# Allegro board BeagleBoard-xM.brd (continued)
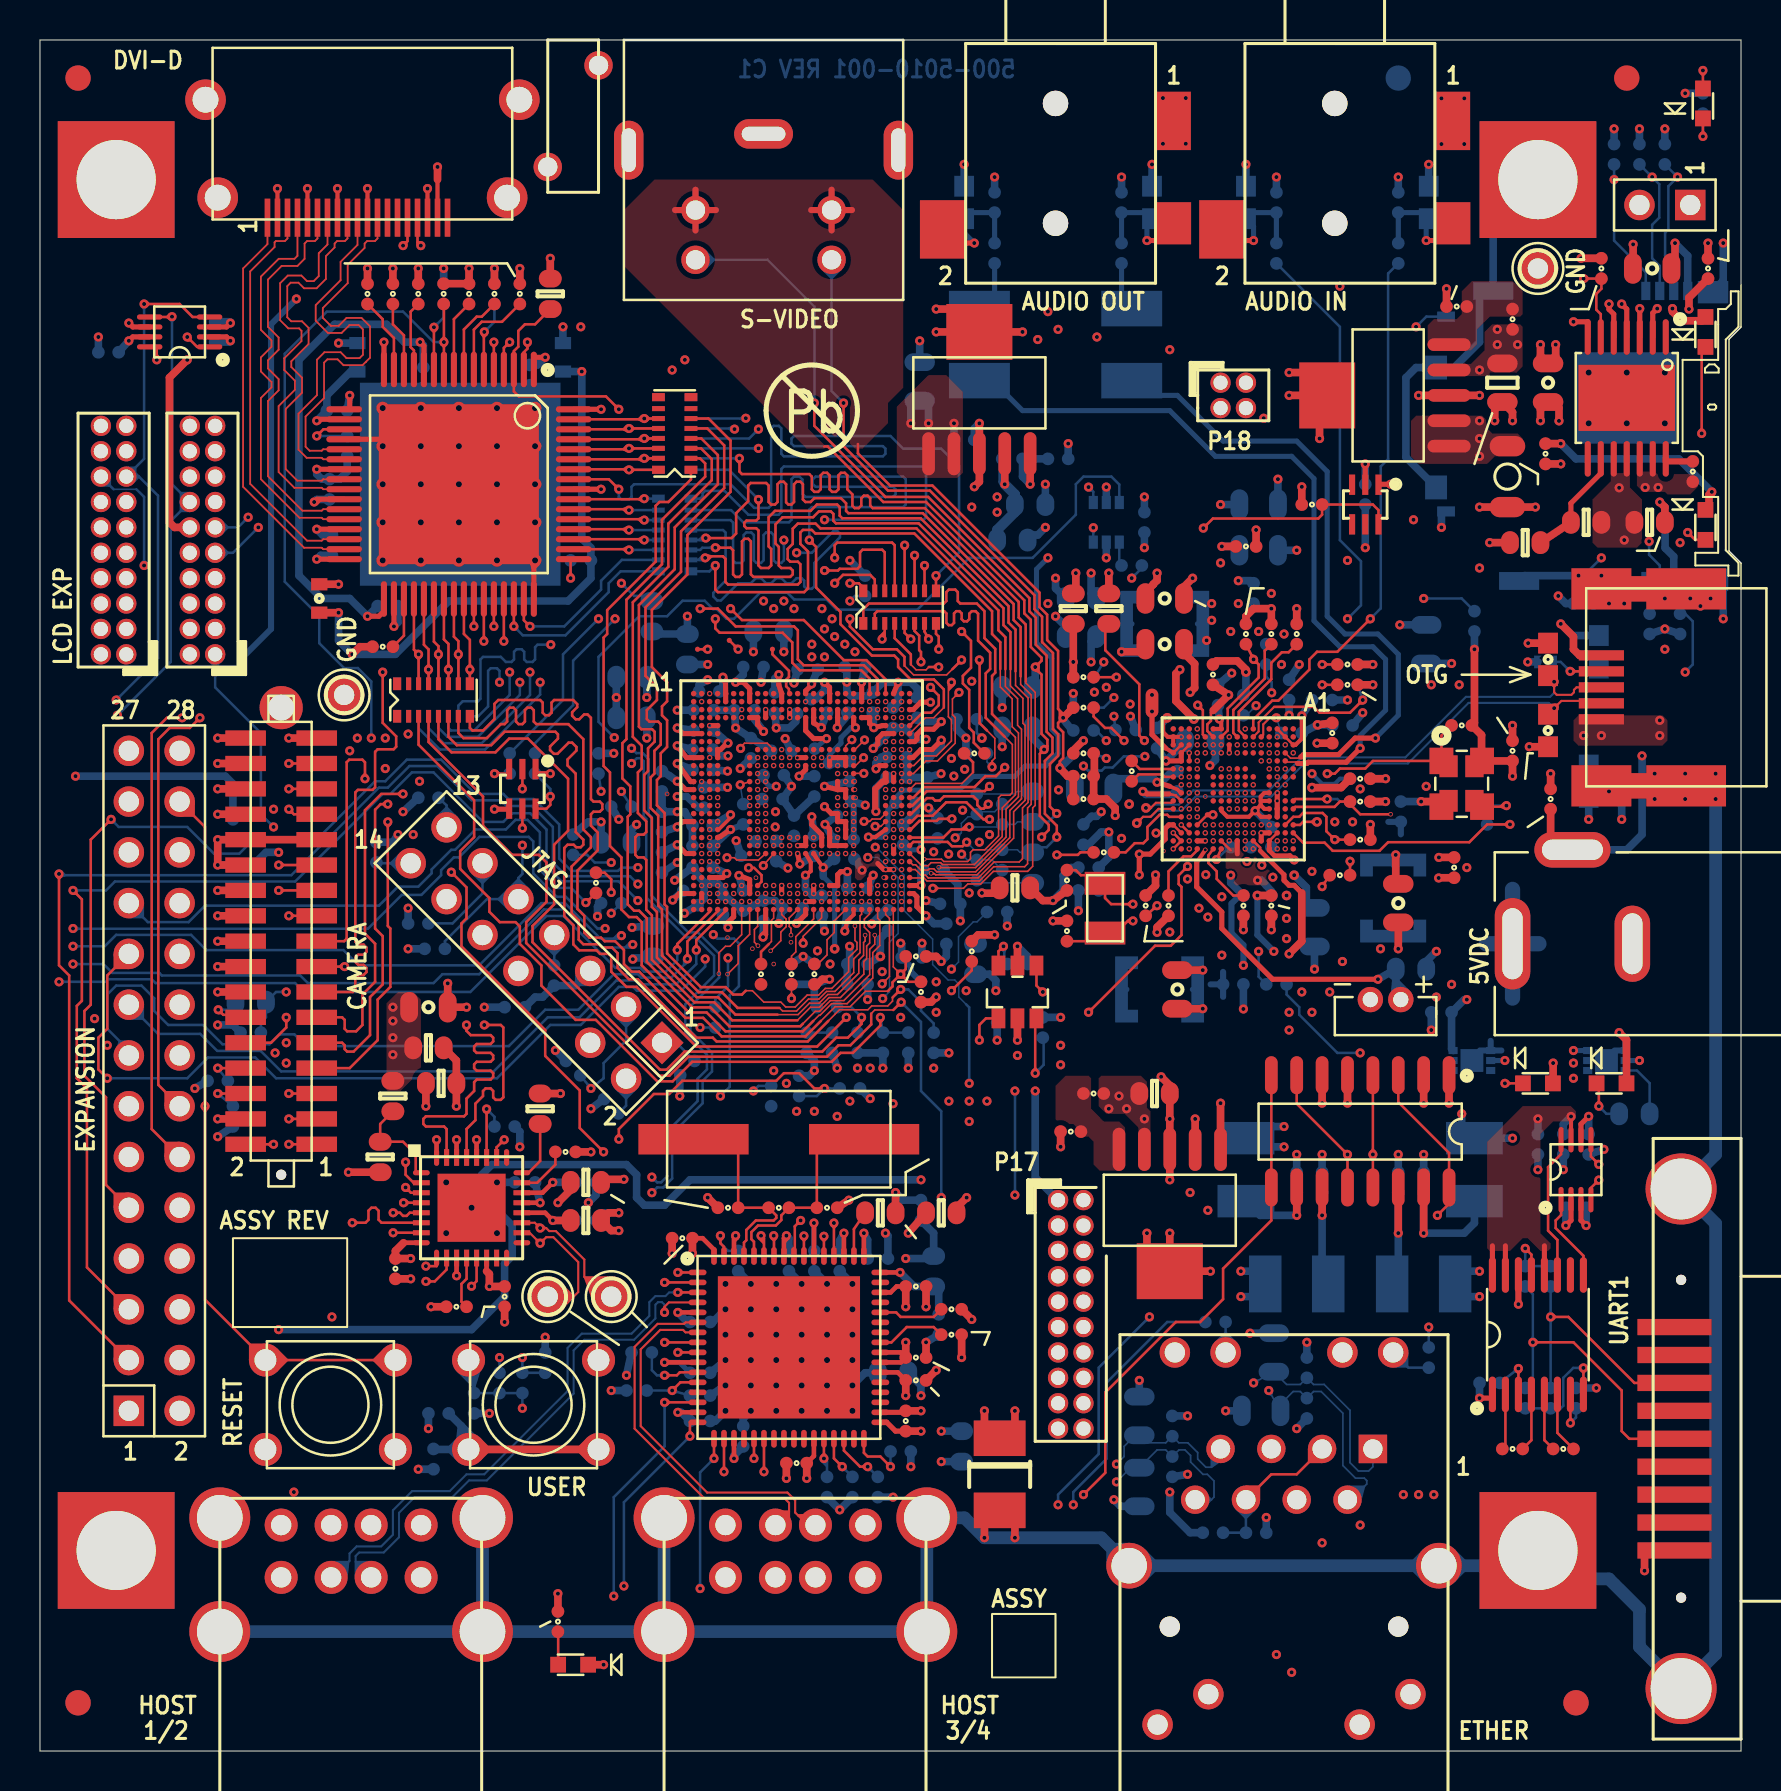
[diagram p0: board, top side]
## Routing (per net, layer and track width the routed paths; a pad name or vN(x,y) marks a point on that pad's centre or on a via; arc(x,y) is an arc through that point) (continued)
DSS_D11: length 45.8
  TOP w0.076: v3(44.58,43.91) 44.59,43.89 44.74,43.89 44.8,43.83 46.87,43.83 48.7,45.67 48.7,46.99 49.28,47.56 49.28,51.31 49.17,51.42 49.17,52.66 48.55,53.28 48.55,54.13
  TOP w0.127: v1(33.78,60.2) 34.54,60.2 34.67,60.07 34.67,58.86 34.8,58.74 34.99,58.74 35.12,58.86 35.12,60.52 35.24,60.64 35.43,60.64 35.56,60.52 35.56,58.86 35.69,58.74 37.53,58.74 37.66,58.86 37.66,59.05 37.53,59.18 37.08,59.18 36.96,59.31 36.96,60.24 36.79,60.41 36.79,61.37 37.15,61.72 38.67,61.72 38.96,62.01 39.56,62.01 39.69,61.89 39.69,61.54 39.81,61.42 43.95,61.42 48.2,57.17 48.2,56.32 48.55,55.98 48.55,54.13
  LYR2-GND w0.076: v3(43.1,43.7) 43.45,44.04 44.44,44.04 v3(44.58,43.91)
  BOTTOM w0.127: RP3.6 33.02,60.09 33.13,60.2 v1(33.78,60.2)
DSS_D12: length 40.4
  TOP w0.076: 48.29,54.13 48.29,53.26 48.9,52.65 48.9,51.31 49.1,51.12 49.1,47.64 48.51,47.05 48.51,45.69 46.8,43.98 44.86,43.98 44.71,44.14 44.48,44.14 44.41,44.07 44.07,44.07 43.8,44.34 43.66,44.34 U4.AB28
  TOP w0.127: 48.29,54.13 48.29,55.72 47.94,56.07 47.94,57.06 43.84,61.16 39.04,61.16 38.8,61.4 37.91,61.4 37.66,61.15 37.66,60.39 37.4,60.13 37.4,59.63 37.53,59.5 37.91,59.5 38.04,59.37 38.04,58.48 37.91,58.36 34.42,58.36 34.29,58.48 34.29,59.64 34.16,59.77 33.35,59.77 v1(33.27,59.69)
  BOTTOM w0.127: v1(33.27,59.69) 33.17,59.59 RP3.7
DSS_D13: length 39.7
  TOP w0.076: v3(44.96,44.21) 44.98,44.2 46.8,44.2 48.32,45.72 48.32,47.12 48.95,47.74 48.95,50.93 48.63,51.24 48.63,52.64 48.04,53.23 48.04,54.13
  TOP w0.127: 48.04,54.13 48.04,55.47 47.62,55.88 47.62,57.02 43.74,60.91 38.79,60.91 38.61,61.09 38.16,61.09 38.04,60.96 38.04,60.39 38.42,60.01 38.42,58.17 38.23,57.98 33.91,57.98 33.78,58.1 v1(33.78,59.31)
  LYR2-GND w0.076: v3(44.96,44.21) 43.39,44.21 v3(43.1,44.5)
  BOTTOM w0.127: RP3.8 33.49,59.01 v1(33.78,59.31)
DSS_D14: length 26
  TOP w0.076: U4.AA28 44.11,44.29 44.42,44.29 44.58,44.44 45.05,44.44 45.15,44.35 46.74,44.35 48.13,45.74 48.13,47.18 48.79,47.84 48.79,50.71 48.51,50.99
  TOP w0.127: 48.51,50.99 47.62,51.88 47.62,53.78 47.78,53.94 47.78,55.14 47.24,55.68 47.24,57.02 46.86,57.4 46.04,57.4 45.91,57.53 45.91,57.98 45.78,58.1 45.47,58.1 45.34,57.98 45.34,57.53 45.21,57.4 41.47,57.4 41.18,57.12 RP4.1
DSS_D15: length 25.9
  TOP w0.076: 48.26,50.74 48.64,50.36 48.64,47.94 48.51,47.82 48.08,47.82 47.95,47.69 47.95,45.78 47.26,45.09 46.67,45.09 46.55,44.96 46.55,44.64 46.41,44.5 45.21,44.5 45.09,44.62 v3(44.23,44.62)
  TOP w0.127: 48.26,50.74 47.31,51.69 47.31,53.91 47.53,54.13 47.53,54.95 46.93,55.55 46.93,56.9 46.8,57.02 46.61,57.02 46.48,56.9 46.48,56.63 46.37,56.52 46.22,56.52 46.1,56.63 46.1,56.91 45.99,57.02 45.83,57.02 45.72,56.91 45.72,56.44 45.61,56.32 45.45,56.32 45.34,56.44 45.34,56.91 45.23,57.02 41.88,57.02 41.76,56.9 RP4.2
  LYR2-GND w0.076: v3(44.23,44.62) 43.95,44.62 43.67,44.9 v3(43.1,44.9)
DSS_D16: length 6.2
  TOP w0.127: v1(42.13,55.63) 42.26,55.76 RP4.3
  LYR3-SIG w0.076: v2(42.3,50.5) 42.09,50.71 42.09,51.33 41.88,51.54 41.88,53.94
  LYR3-SIG w0.127: 41.88,53.94 41.88,54.08 41.99,54.18 41.99,55.49 v1(42.13,55.63)
DSS_D17: length 8.9
  TOP w0.076: 43.56,54.36 43.83,54.09 44.32,54.09 44.46,54.23
  TOP w0.127: RP4.4 42.75,55.67 43.56,54.86 43.56,54.36 ; v1(44.96,54.23) 44.46,54.23
  LYR3-SIG w0.076: 44.88,54.13 44.09,53.34 44.09,51.36 43.59,50.85 43.59,50.58 v2(43.1,50.1)
  LYR3-SIG w0.127: 44.88,54.13 44.96,54.2 v1(44.96,54.23)
DSS_D18: length 47.9
  TOP w0.076: 42.41,38.01 41.3,38.01 40.53,37.24 39.78,37.24 39.07,36.53 ; U4.AH26 42.68,42.08 42.68,39.23 v1(43.05,38.86)
  TOP w0.127: R36.1 43.43,38.48 v1(43.05,38.86) ; v1(43.05,38.86) 42.65,38.46 42.65,38.25 42.41,38.01 ; v1(43.05,38.86) 43.31,39.12 R123.1 ; 39.07,36.53 38.29,35.75 34.1,35.75 33.17,36.68 32.28,36.68 29.97,38.99 29.59,38.99 29.21,39.37 29.21,40.07 28.77,40.51 28.24,40.51 28.07,40.69 27.48,40.69 27.23,40.94 27.23,41.78 26.89,42.13 26.89,44.04 27.9,45.06 27.9,45.95 27.56,46.29 27.56,46.86 27.69,46.99 28,46.99 28.13,47.12 28.13,47.37 28,47.5 27.69,47.5 27.56,47.62 27.56,51.69 27.39,51.85 27.22,51.85 26.98,51.61 26.8,51.61 26.62,51.79 26.62,51.97 26.87,52.22 26.87,52.37 26.67,52.58 25.72,52.58 25.59,52.45 25.59,51.94 25.46,51.82 25.27,51.82 25.15,51.94 25.15,52.45 25.02,52.58 22.92,52.58 22.73,52.39 22.73,51.63 22.16,51.05 21.63,51.05 21.5,51.18 RP7.8
DSS_D19: length 48.8
  TOP w0.076: 39.43,36.53 39.76,36.86 39.99,37.08 41.41,37.08 41.61,37.27 42.41,37.27 42.65,37.51 42.65,37.69
  TOP w0.127: RP7.7 20.93,50.93 21.18,50.67 22.35,50.67 23.05,51.37 23.24,51.37 23.37,51.5 23.37,52.07 23.49,52.2 23.69,52.2 23.81,52.07 23.81,51.5 23.94,51.37 24.13,51.37 24.26,51.5 24.26,52.07 24.38,52.2 24.57,52.2 24.7,52.07 24.7,51.5 24.83,51.37 26.43,51.37 27.18,50.62 27.18,46.1 27.56,45.72 27.56,45.21 26.59,44.25 26.59,41.91 26.95,41.55 26.95,40.59 27.18,40.36 27.95,40.36 28.12,40.2 28.61,40.2 28.89,39.92 28.89,39.18 29.46,38.61 29.91,38.61 32.83,35.69 33.66,35.69 33.85,35.5 38.4,35.5 39.43,36.53 ; 42.65,37.69 v1(43.05,38.1)
  LYR2-GND w0.076: v1(43.05,38.1) 42.62,38.53 42.62,39.09 42.72,39.19 42.72,40.11 42.67,40.16 42.67,42.47 v3(42.7,42.5)
  BOTTOM w0.127: v1(43.05,38.1) 43.43,38.1 R125.1 44.07,37.03 44.7,36.4 R139.1
DSS_D20: length 47.7
  TOP w0.076: v1(40.34,36.7) 40.16,36.53
  TOP w0.127: 40.16,36.53 38.87,35.24 32.83,35.24 29.84,38.23 29.34,38.23 28.57,38.99 28.57,39.75 28.45,39.88 28.02,39.88 27.84,40.06 26.97,40.06 26.68,40.35 26.68,41.32 26.23,41.77 26.23,45.17 26.39,45.34 26.7,45.34 26.82,45.21 27.05,45.21 27.18,45.34 27.18,45.59 26.8,45.97 26.8,48.9 26.39,49.3 26.39,49.61 26.83,50.05 26.83,50.23 26.62,50.44 26.44,50.44 25.88,49.89 25.7,49.89 25.52,50.08 25.52,50.25 25.91,50.65 25.91,50.86 25.78,50.99 23.24,50.99 22.57,50.32 20.85,50.32 20.43,50.74 RP7.6
  LYR3-SIG w0.076: v2(39.5,42.9) 39.75,42.65 39.75,42.28 40.81,41.22 40.81,40.95 41.28,40.49 41.28,38.37 40.34,37.43 v1(40.34,36.7)
  BOTTOM w0.127: R141.1 R127.1 v1(40.34,36.7)
DSS_D21: length 47.6
  TOP w0.127: v1(41.1,36.7) 41.1,36.37 40.41,35.69 39.83,35.69 39.13,34.99 32.25,34.99 31.34,34.09 31.01,34.09 24.64,40.46 24.64,41.27 25.72,42.35 25.72,45.34 26.42,46.04 26.42,48.64 24.41,50.65 23.47,50.65 22.78,49.96 20.59,49.96 19.93,50.61 RP7.5
  LYR3-SIG w0.076: v1(41.1,36.7) 41.02,36.78 41.02,37.81 41.48,38.27 41.48,40.77 40.06,42.19 40.06,42.74 v2(39.9,42.9)
  BOTTOM w0.127: R37.1 v1(41.1,36.7) 40.59,37.21 R142.1
DSS_D22: length 84.4
  TOP w0.076: 42.68,37.07 41.76,37.07 41.58,36.89
  TOP w0.127: RP7.4 19.44,50.48 22.16,47.75 22.16,46.29 23.62,44.83 24.96,44.83 25.34,44.45 25.34,42.48 24.32,41.47 24.32,40.42 30.96,33.78 31.48,33.78 32.44,34.73 39.37,34.73 39.94,35.31 40.54,35.31 41.58,36.35 41.58,36.89 ; v1(43.08,37.46) 42.68,37.07
  LYR3-SIG w0.076: v1(43.08,37.46) 43.5,37.88 43.5,39.05 43.05,39.5 43.05,39.89 42.14,40.8 42.14,42 41.55,42.58 41.55,42.77 41.2,43.13 40.87,43.13 v2(40.7,43.3)
  LYR4-SIG w0.127: v1(24.13,19.68) 25.27,19.68 26.99,21.4 29.4,21.4 30.1,22.1 30.1,24.77 31.24,25.91 32.22,25.91 33.74,27.43 40,27.43 40.45,26.97 41.45,26.97 41.83,27.36 44.75,27.36 v1(45.09,27.69)
  BOTTOM w0.127: R41.1 R148.2 v1(24.13,19.68) ; v1(45.09,27.69) 45.09,32 44.07,33.02 44.07,36.47 v1(43.08,37.46)
DSS_D23: length 47.4
  TOP w0.127: RP7.3 18.94,50.34 21.72,47.56 21.72,45.72 21.02,45.02 21.02,44.13 22.48,42.67 22.48,41.99 23,41.47 23.79,41.47 24,41.25 24,40.38 25.08,39.3 25.08,38.29 26.8,36.58 27.81,36.58 30.88,33.5 31.65,33.5 32.63,34.48 39.6,34.48 40.05,34.92 40.67,34.92 42.04,36.3 v1(42.04,36.7)
  LYR3-SIG w0.076: v2(40.7,42.9) 40.36,42.55 40.36,42.1 42.42,40.04 42.42,39.55 42.24,39.37 41.99,39.37 41.71,39.09 41.71,37.92 41.77,37.86 41.77,36.97 v1(42.04,36.7)
  BOTTOM w0.127: v1(42.04,36.7) R38.1 R143.1
DSS_DX0: length 45.6
  TOP w0.076: 35.31,38.04 35.64,38.04 36.21,37.46 37.06,37.46 37.3,37.22 37.78,37.22 38.38,37.82 38.95,37.82 39.28,38.15 39.61,38.15 40.45,38.99 40.45,39.69 40.65,39.89 40.87,40.11 40.87,40.45 40.77,40.55 v3(40.77,41.27)
  TOP w0.127: RP1.6 33.44,66.66 34.54,65.56 34.54,62.99 32.38,60.83 32.38,58.86 30.61,57.09 30.61,54.23 31.37,53.47 31.37,52.51 31.11,52.26 31.11,51.82 31.37,51.56 31.37,50.23 31.05,49.91 31.05,48.77 30.86,48.58 30.86,47.31 31.24,46.93 31.24,42.35 31.37,42.23 31.37,39.9 33.06,38.22 34.3,38.22 34.67,37.85 35.12,37.85 35.31,38.04
  LYR2-GND w0.076: v3(40.77,41.27) 41,41.5 41,41.78 41.1,41.89 v3(41.1,42.5)
DSS_DX1: length 45.5
  TOP w0.076: U4.AH22 41.1,41.86 41.02,41.78 41.02,39.94 40.7,39.62 40.7,38.94 39.76,38 39.35,38 38.97,37.62 38.44,37.62 37.85,37.02 37.15,37.02 37,37.17
  TOP w0.127: RP1.5 33.38,66.16 34.23,65.32 34.23,63.18 32.07,61.02 32.07,58.99 30.29,57.21 30.29,53.78 30.86,53.21 30.86,52.58 30.35,52.07 30.35,51.63 30.48,51.5 30.92,51.5 31.05,51.37 31.05,50.35 30.73,50.04 30.73,48.9 30.54,48.7 30.54,47.18 30.92,46.8 30.92,42.29 31.11,42.1 31.11,39.8 32.95,37.96 34.11,37.96 34.9,37.17 37,37.17
DSS_DX2: length 45.6
  TOP w0.076: 36.89,36.84 37.92,36.84 38.49,37.41 38.98,37.41 39.41,37.85 39.89,37.85 40.96,38.91 40.96,39.56 41.2,39.8 41.2,40.45 41.28,40.53 v3(41.28,40.82)
  TOP w0.127: RP1.4 33.08,65.66 33.91,64.83 33.91,63.37 31.75,61.21 31.75,59.12 29.96,57.33 29.96,51.24 30.09,51.12 30.62,51.12 30.75,50.99 30.75,50.5 30.42,50.16 30.42,49.02 30.23,48.83 30.23,47.05 30.61,46.67 30.61,42.23 30.86,41.97 30.86,39.69 32.85,37.71 33.92,37.71 34.79,36.84 36.89,36.84
  LYR2-GND w0.076: v3(41.28,40.82) 41.28,41.19 41.24,41.22 41.24,41.61 41.5,41.87 v3(41.5,42.5)
DSS_DX3: length 45.7
  TOP w0.076: U4.AH23 41.5,41.88 41.24,41.62 41.24,41.21 41.5,40.94 41.5,40.42 41.35,40.27 41.35,39.64 41.21,39.5 41.21,38.86 40.04,37.69 39.47,37.69 38.99,37.21 38.54,37.21 37.89,36.55
  TOP w0.127: RP1.3 33.07,65.17 33.6,64.63 33.6,63.58 31.43,61.4 31.43,59.25 29.65,57.47 29.65,50.74 30.1,50.29 30.1,49.15 29.91,48.96 29.91,46.93 30.33,46.51 30.33,45.97 30.2,45.85 29.91,45.85 29.78,45.72 29.78,44.83 29.91,44.7 30.2,44.7 30.33,44.58 30.33,42.09 30.61,41.81 30.61,39.59 32.74,37.45 33.73,37.45 34.63,36.55 37.89,36.55
DSS_DX4: length 45.7
  TOP w0.076: v3(41.76,40.82) 41.76,40.36 41.5,40.11 41.5,38.84 40.21,37.54 39.54,37.54 39,37.01 38.79,37.01 38.16,36.39
  TOP w0.127: RP1.2 33.02,64.67 33.27,64.41 33.27,63.75 31.11,61.59 31.11,59.37 29.34,57.59 29.34,50.62 29.13,50.42 29.13,48.65 29.53,48.26 29.53,46.86 29.4,46.74 29.4,42.35 29.72,42.04 29.97,42.04 30.35,41.66 30.35,39.48 32.63,37.2 33.54,37.2 34.48,36.26 38.04,36.26 38.16,36.39
  LYR2-GND w0.076: v3(41.76,40.82) 41.97,41.03 41.97,41.61 41.9,41.68 v3(41.9,42.5)
DSS_DX5: length 45.5
  TOP w0.076: 38.68,36.53 38.96,36.8 39.01,36.8 39.6,37.39 40.37,37.39 41.66,38.67 41.66,39.94 42.01,40.3 42.01,41.55 41.9,41.67 U4.AH24
  TOP w0.127: RP1.1 32.56,63.61 31.43,62.48 30.99,62.48 30.8,62.29 30.8,59.5 28.37,57.07 28.37,55.88 28.19,55.7 28.19,49.28 28.51,48.96 28.51,45.28 29.08,44.7 29.08,42.1 29.46,41.72 29.84,41.72 30.1,41.47 30.1,39.31 32.46,36.95 33.35,36.95 34.29,36 38.16,36 38.68,36.53
DSS_HSYNC: length 5.3
  TOP w0.127: v1(43.56,55.63) 43.25,55.94 RP4.5
  LYR3-SIG w0.076: v1(43.56,55.63) 43.56,55.37 43.13,54.94 43.13,53.78 43.29,53.62 43.29,53.14 42.7,52.54 v2(42.7,51.7)
DSS_PCLK: length 5.9
  TOP w0.127: v1(44.96,55.12) 44.96,55.75 44.82,55.89 RP4.8
  LYR3-SIG w0.076: 43.65,54.04 43.65,53.79 43.61,53.75 43.61,52.84 43.5,52.73 v2(43.5,51.7)
  LYR3-SIG w0.127: v1(44.96,55.12) 44.11,55.12 43.65,54.66 43.65,54.04
DSS_VSYNC: length 5.6
  TOP w0.127: RP4.7 44.25,56.01 v1(44.45,55.63)
  LYR3-SIG w0.076: v2(43.1,51.7) 43.1,52.55 43.45,52.9 43.45,53.72 43.35,53.82 43.35,54.78 43.98,55.42 44.25,55.42 v1(44.45,55.63)
DVI_+5V: length 30.2
  TOP w0.203: 19.89,78.61 P12.18
  TOP w0.254: U12.7 4.64,70.74 v1(4.45,70.55)
  TOP w0.381: v1(19.89,79.25) 19.89,78.61
  LYR4-SIG w0.381: RT1.2 v1(19.89,79.25) 11.81,79.25 10.79,78.23 10.79,77.34 5.84,72.39 5.84,71.18 5.21,70.55 v1(4.45,70.55)
  BOTTOM w0.381: C158.1 4.38,70.48 v1(4.45,70.55)
DVI_CLK+: length 68.4
  TOP w0.127: v1(44.82,58.8) RP4.9 ; v1(28.96,63.12) 28.46,63.62 U11.57
  LYR4-SIG w0.076: P13.16 8.13,64.39 8.13,65.47 8.31,65.65 9.91,65.65
  LYR4-SIG w0.127: 9.91,65.65 11.44,65.65 13.59,63.5 16,63.5 16.69,62.81 25.12,62.81 25.93,63.63 28.45,63.63 v1(28.96,63.12)
  BOTTOM w0.127: v1(28.96,63.12) 28.96,62.74 29.08,62.61 29.46,62.61 29.59,62.74 29.59,63.25 29.72,63.37 34.54,63.37 35.73,62.19 36.45,62.19 36.58,62.32 36.58,66.17 36.7,66.29 36.96,66.29 37.08,66.17 37.08,64.9 37.21,64.77 42.16,64.77 42.29,64.9 42.29,65.15 42.16,65.28 37.72,65.28 37.59,65.41 37.59,65.66 37.72,65.79 42.55,65.79 43.18,65.15 45.09,65.15 45.97,64.26 45.97,59.95 v1(44.82,58.8)
DVI_DATA0: length 48.8
  TOP w0.127: RP1.11 v1(30.23,66.66) 30.19,66.62 U11.63
  LYR4-SIG w0.127: v1(30.23,66.66) 15.64,66.66 13.34,68.96 2.03,68.96 0.76,67.69 0.76,57.79 2.41,56.13 3.05,56.13
  BOTTOM w0.127: RP1.11 v1(30.23,66.66)
DVI_DATA1: length 49.1
  TOP w0.127: U11.62 29.42,66.12 v1(29.46,66.16) RP1.12
  LYR4-SIG w0.076: 4.32,56.13 3.68,56.77 2.29,56.77
  LYR4-SIG w0.127: v1(29.46,66.16) 29.46,66.17 25.65,66.17 25.53,66.29 15.49,66.29 13.21,68.58 2.16,68.58 1.07,67.49 1.07,57.99 2.29,56.77
  BOTTOM w0.127: RP1.12 v1(29.46,66.16)
DVI_DATA2: length 46.3
  TOP w0.127: U11.61 30.18,65.62 v1(30.23,65.66) RP1.13
  LYR4-SIG w0.127: P11.6 2.16,57.4 1.37,58.19 1.37,67.28 2.29,68.2 13.08,68.2 15.37,65.91 25.15,65.91 25.39,65.66 v1(30.23,65.66)
  BOTTOM w0.127: RP1.13 v1(30.23,65.66)
DVI_DATA3: length 46.7
  TOP w0.127: RP1.14 v1(29.46,65.17) 29.42,65.12 U11.60
  LYR4-SIG w0.076: P11.5 3.68,58.04 2.41,58.04 1.7,58.75 1.7,67.11
  LYR4-SIG w0.127: v1(29.46,65.17) 25.54,65.17 25.15,64.77 16.76,64.77 16.17,65.37 13.63,65.37 11.18,67.82 2.41,67.82 1.7,67.11
  BOTTOM w0.127: RP1.14 v1(29.46,65.17)
DVI_DATA4: length 43.8
  TOP w0.127: RP1.15 v1(30.23,64.67) 30.18,64.62 U11.59
  LYR4-SIG w0.076: 2.16,67.06 1.98,66.88 1.98,59.11 2.41,58.67 3.05,58.67
  LYR4-SIG w0.127: 2.16,67.06 2.54,67.44 11.05,67.44 13.46,65.02 15.88,65.02 16.51,64.39 25.27,64.39 25.55,64.67 v1(30.23,64.67)
  BOTTOM w0.127: RP1.15 v1(30.23,64.67)
DVI_DATA5: length 43.8
  TOP w0.127: U11.58 29.44,64.12 v1(29.46,64.09) RP1.16
  LYR4-SIG w0.076: 4.32,58.67 3.67,59.32 2.54,59.32 2.29,59.58 2.29,66.55 2.79,67.06 9.91,67.06
  LYR4-SIG w0.127: v1(29.46,64.09) 25.71,64.09 25.6,63.98 16.28,63.98 15.62,64.64 13.34,64.64 10.92,67.06 9.91,67.06
  BOTTOM w0.127: RP1.16 v1(29.46,64.09)
DVI_DATA6: length 26.3
  TOP w0.127: U11.55 30.2,62.62 v1(30.23,62.65)
  LYR4-SIG w0.127: 8.76,63.75 12.57,63.75 13.28,63.04 15.82,63.04 16.38,62.48 28,62.48 28.17,62.65 v1(30.23,62.65)
  BOTTOM w0.127: RP3.16 v1(30.23,62.65)
DVI_DATA7: length 25.9
  TOP w0.127: v1(29.46,62.08) 29.42,62.12 U11.54
  LYR4-SIG w0.127: v1(29.46,62.08) 13.9,62.08 13.89,62.06 13.54,62.06 13.53,62.08 11.79,62.08 v1(10.92,61.21)
  BOTTOM w0.127: RP3.15 v1(29.46,62.08) ; P13.9 9.65,59.94 v1(10.92,61.21)
DVI_DATA8: length 27.6
  TOP w0.127: U11.53 30.18,61.62 v1(30.23,61.58)
  LYR4-SIG w0.127: v1(10.41,61.72) 10.41,61.09 10.79,60.71 12.7,60.71 13.59,61.59 16.21,61.59 16.84,60.96 25.43,60.96 26.05,61.58 v1(30.23,61.58)
  BOTTOM w0.127: RP3.14 v1(30.23,61.58) ; 8.76,61.21 9.91,61.21 v1(10.41,61.72)
DVI_DATA9: length 26.7
  TOP w0.127: v1(29.46,61.08) 29.42,61.12 U11.52
  LYR4-SIG w0.127: v1(29.46,61.08) 26.18,61.08 25.68,60.58 13.59,60.58 13.34,60.33 10.67,60.33 9.88,61.11 9.88,62 9.4,62.48 8.76,62.48
  BOTTOM w0.127: RP3.13 v1(29.46,61.08)
DVI_DATA10: length 33.6
  TOP w0.127: U11.51 30.19,60.62 v1(30.23,60.58)
  LYR4-SIG w0.076: 9.91,60.58 9.55,60.93 9.55,61.44 9.14,61.85 6.3,61.85 5.03,60.58 3.68,60.58 P11.10
  LYR4-SIG w0.127: v1(30.23,60.58) 26.32,60.58 25.93,60.2 13.72,60.2 13.46,59.94 10.54,59.94 9.91,60.58
  BOTTOM w0.127: RP3.12 v1(30.23,60.58)
DVI_DATA11: length 36.1
  TOP w0.127: v1(29.46,60.09) 29.43,60.12 U11.50
  LYR4-SIG w0.076: v1(5.21,59.31) 6.48,60.58 9.14,60.58
  LYR4-SIG w0.127: v1(29.46,60.09) 27.45,60.09 26.42,59.05 10.92,59.05 9.4,60.58 9.14,60.58
  BOTTOM w0.076: 3.68,63.12 4.83,63.12
  BOTTOM w0.127: 4.83,63.12 5.21,62.74 v1(5.21,59.31) ; P11.16 3.68,63.12 ; RP3.11 v1(29.46,60.09)
DVI_DATA12: length 33.9
  TOP w0.127: v1(24.51,56.26) 24.2,56.57 U11.47
  LYR3-SIG w0.076: 10.22,57.28 9.46,58.04 7.24,58.04 5.33,59.94 P11.9
  LYR3-SIG w0.127: v1(24.51,56.26) 24.51,55.88 23.69,55.05 23.05,55.05 21.42,53.43 18.88,53.43 16.73,55.59 11.91,55.59 10.22,57.28
  BOTTOM w0.127: RP3.10 29.11,59.59 28.07,58.55 28.07,58.1 26.23,56.26 v1(24.51,56.26)
DVI_DATA13: length 28.1
  TOP w0.127: U11.46 v1(23.7,56.26)
  LYR4-SIG w0.076: 9.91,59.05 9.65,59.31 8.13,59.31 P13.10
  LYR4-SIG w0.127: 9.91,59.05 10.17,58.79 15.23,58.79 15.54,58.47 21.49,58.47 v1(23.7,56.26)
  BOTTOM w0.127: RP3.9 29.04,59.01 28.45,58.42 28.45,57.98 26.29,55.81 24.15,55.81 v1(23.7,56.26)
DVI_DATA14: length 48.1
  TOP w0.127: RP4.16 41.18,58.19 40.96,58.42 v1(40.51,58.42) ; U11.45 v1(23.2,55.52)
  LYR3-SIG w0.076: 10.16,58.55 9.4,59.31 7.24,59.31 5.97,60.58 3.68,60.58 3.05,61.21
  LYR3-SIG w0.127: v1(40.51,58.42) 40.09,58 39.58,58 39.41,58.17 39.01,58.17 38.67,58.51 35.27,58.51 34.85,58.09 32.31,58.09 29.4,55.18 27.08,55.18 25.43,56.83 23.56,56.83 23.2,56.48 v1(23.2,55.52) 22.88,55.52 21.97,54.61 21.34,54.61 20.95,54.23 20.95,53.94 20.7,53.68 19.13,53.68 16.84,55.97 12.74,55.97 10.16,58.55
DVI_DATA15: length 39.3
  TOP w0.127: v1(39.75,58.42) 40.17,58.84 41.53,58.84 41.76,58.61 RP4.15 ; U11.44 v1(22.7,56.26)
  LYR3-SIG w0.127: v1(39.75,58.42) 39.12,58.42 38.77,58.76 34.96,58.76 34.54,58.34 32.18,58.34 29.27,55.44 27.37,55.44 25.59,57.21 23.3,57.21 22.7,56.61 v1(22.7,56.26)
  LYR4-SIG w0.076: 8.76,58.67 9.78,58.67 9.91,58.55
  LYR4-SIG w0.127: v1(22.7,56.26) 22.7,56.67 21.46,57.91 10.54,57.91 9.91,58.55
DVI_DATA16: length 60.1
  TOP w0.127: RP4.14 42.26,59.97 42.13,60.1 41.15,60.1 41.02,59.97 41.02,59.27 40.89,59.14 40.01,59.14 39.92,59.05 v1(39.24,59.05) ; U11.43 v1(22.2,55.52)
  LYR3-SIG w0.127: v1(22.2,55.52) 22.2,57.64 22.35,57.79 26.67,57.79 26.8,57.66 26.8,56.52 27.43,55.88 29.08,55.88 29.97,56.77 29.97,59.05 30.17,59.25 30.38,59.25 30.67,58.95 30.88,58.95 31.03,59.1 31.03,59.31 30.74,59.61 30.74,59.82 31.24,60.33 31.24,60.59 31.39,60.73 32.11,60.73 32.26,60.88 32.26,61.09 32.11,61.24 31.39,61.24 31.24,61.39 31.24,61.59 31.37,61.72 32.13,61.72 32.26,61.85 32.26,62.74 32.38,62.87 33.23,62.87 33.38,62.72 33.38,61.36 33.52,61.21 33.74,61.21 33.88,61.36 33.88,62.72 34.03,62.87 34.29,62.87 34.42,62.74 34.42,59.31 34.71,59.02 39.2,59.02 v1(39.24,59.05)
  LYR4-SIG w0.076: 9.91,57.98 9.84,58.04 8.13,58.04 7.49,58.67
  LYR4-SIG w0.127: v1(22.2,55.52) 22.22,55.54 22.22,56.52 21.23,57.51 10.38,57.51 9.91,57.98
DVI_DATA17: length 55.1
  TOP w0.127: U11.42 v1(21.7,56.26) ; RP4.13 42.75,60.33 42.63,60.45 39.88,60.45 39.75,60.33 v1(39.75,59.69)
  LYR3-SIG w0.127: v1(21.7,56.26) 21.7,58.04 21.83,58.17 27.05,58.17 27.18,58.04 27.18,56.64 27.62,56.2 28.97,56.2 29.59,56.82 29.59,59.31 30.73,60.45 30.73,63.25 30.86,63.37 31.15,63.37 31.3,63.22 31.3,62.38 31.44,62.23 31.65,62.23 31.8,62.38 31.8,63.22 31.95,63.37 34.8,63.37 34.92,63.25 34.92,59.4 35.05,59.27 38.82,59.27 39.24,59.69 v1(39.75,59.69)
  LYR4-SIG w0.076: 9.78,57.4 P13.5
  LYR4-SIG w0.127: 9.78,57.4 10.83,56.35 16.6,56.35 17.4,57.15 20.82,57.15 v1(21.7,56.26)
DVI_DATA18: length 21.6
  TOP w0.127: RP7.9 v1(21.5,54.1) 21.5,55.59 21.2,55.88 U11.41
  LYR4-SIG w0.076: P13.6 8.13,56.77 9.91,56.77
  LYR4-SIG w0.127: 9.91,56.77 10.67,56.01 16.76,56.01 17.53,56.77 19.68,56.77 21.5,54.95 v1(21.5,54.1)
  BOTTOM w0.127: RP7.9 v1(21.5,54.1)
DVI_DATA19: length 26.7
  TOP w0.127: U11.40 20.71,55.75 20.93,55.52 v1(20.93,54.86) RP7.10
  LYR3-SIG w0.076: P11.13 4.94,63.11 9.27,63.11 9.91,62.47 9.91,61.47
  LYR3-SIG w0.127: 9.91,61.47 13.6,57.77 18.02,57.77 v1(20.93,54.86)
  BOTTOM w0.127: RP7.10 v1(20.93,54.86)
DVI_DATA20: length 18.1
  TOP w0.127: U11.39 20.21,55.61 20.43,55.39 v1(20.43,54.1) RP7.11
  LYR4-SIG w0.076: 8.76,56.13 9.91,56.13
  LYR4-SIG w0.127: 9.91,56.13 10.41,55.63 19.8,55.63 20.43,54.99 v1(20.43,54.1)
  BOTTOM w0.127: RP7.11 v1(20.43,54.1)
DVI_DATA21: length 18.8
  TOP w0.127: U11.38 19.71,55.5 19.93,55.27 v1(19.93,54.86) RP7.12
  LYR4-SIG w0.076: 7.49,56.13 8.13,55.5 9.91,55.5
  LYR4-SIG w0.127: 9.91,55.5 10.1,55.31 19.49,55.31 v1(19.93,54.86)
  BOTTOM w0.127: RP7.12 v1(19.93,54.86)
DVI_DATA22: length 25.9
  TOP w0.127: U11.37 19.21,55.34 19.44,55.11 v1(19.44,54.1) RP7.13
  LYR3-SIG w0.076: 9.91,60.68 9.51,61.07 9.51,61.56 9.22,61.85 3.68,61.85 P11.14
  LYR3-SIG w0.127: 9.91,60.68 13.18,57.4 17.4,57.4 19.44,55.37 v1(19.44,54.1)
  BOTTOM w0.127: RP7.13 v1(19.44,54.1)
DVI_DATA23: length 23.1
  TOP w0.127: RP7.14 v1(18.94,54.86) 18.71,55.1 U11.36
  LYR3-SIG w0.076: 9.91,59.82 9.15,60.58 6.98,60.58 6.35,61.21 4.32,61.21
  LYR3-SIG w0.127: v1(18.94,54.86) 18.93,54.87 18.92,54.87 18.91,54.86 18.41,54.86 16.93,56.35 13.37,56.35 9.91,59.82 9.91,59.82
  BOTTOM w0.127: RP7.14 v1(18.94,54.86)
DVI_DEN: length 61.7
  TOP w0.127: v1(24.38,70.48) 24.38,70.16 24.2,69.98 U11.2 ; v1(43.75,59.82) RP4.11
  LYR3-SIG w0.127: v1(24.38,70.48) 21.84,67.94 16.89,67.94 13.97,65.02 8.76,65.02
  LYR4-SIG w0.127: v1(43.75,59.82) 43.75,60.6 43.9,60.74 45.34,60.74 45.47,60.87 45.47,61.13 45.34,61.25 43.9,61.25 43.75,61.4 43.75,61.61 43.9,61.76 45.21,61.76 45.34,61.89 45.34,62.14 45.21,62.27 43.9,62.27 43.75,62.42 43.75,62.63 43.9,62.78 45.21,62.78 45.34,62.9 45.34,63.16 45.21,63.28 43.9,63.28 43.75,63.43 43.75,63.64 43.9,63.79 45.21,63.79 45.34,63.92 45.34,64.17 45.21,64.3 43.9,64.3 43.75,64.45 43.75,64.71 42.42,66.04 42.42,68.26 42.1,68.58 24.64,68.58 24.38,68.83 v1(24.38,70.48)
DVI_DSEL: length 3.5
  TOP w0.127: R94.2 17.65,71.37 18.21,70.82 U11.14
DVI_DVDD: length 40.8
  TOP w0.254: v1(16.38,56.77) 16.95,56.77 17.21,57.02 U11.33 ; U11.12 19.21,70.29 v1(19.01,70.48) ; v1(25.27,69.72) 24.7,69.72 U11.1
  LYR4-SIG w0.381: v1(25.27,69.72) 26.16,70.61 v1(26.16,71.25) 25.4,72.01 19.43,72.01 19.01,71.59 v1(19.01,70.48)
  BOTTOM w0.381: 24.51,69.34 24.89,69.34 v1(25.27,69.72) ; L9.2 v1(26.16,71.25) ; C155.1 v1(16.38,56.77) 15.49,57.66 14.1,57.66 12.95,58.8 12.95,69.6 14.73,71.37 17.34,71.37 18.22,70.48 v1(19.01,70.48) 19.18,70.32 C156.1
DVI_HSYNC: length 63.5
  TOP w0.127: v1(23.49,70.48) 23.2,70.19 U11.4 ; RP4.12 v1(43.25,60.33)
  LYR3-SIG w0.076: P13.18 8.14,65.67 8.14,66.69 8.51,67.06 9.91,67.06
  LYR3-SIG w0.127: 9.91,67.06 15.37,67.06 16.64,68.33 21.34,68.33 v1(23.49,70.48)
  LYR4-SIG w0.127: v1(23.49,70.48) 23.49,70.1 23.37,69.98 22.22,69.98 22.1,69.85 22.1,69.6 22.22,69.47 23.75,69.47 23.88,69.34 23.88,69.09 23.75,68.96 22.22,68.96 22.1,68.83 22.1,68.31 22.22,68.18 39.12,68.18 39.24,68.05 39.24,67.44 39.37,67.31 39.62,67.31 39.75,67.44 39.75,68.05 39.88,68.18 40.77,68.18 40.89,68.05 40.89,65.91 41.02,65.79 41.28,65.79 41.4,65.91 41.4,68.07 41.53,68.2 41.78,68.2 41.91,68.07 41.91,65.85 43.25,64.51 v1(43.25,60.33)
DVI_PU: length 38
  TOP w0.127: U5.3 47.95,40.01 v1(48.2,40.26)
  LYR3-SIG w0.127: v1(48.2,40.26) 48.21,40.26 48.95,41 48.95,45.75 50.57,47.37 50.85,47.37 51.37,47.89 51.37,48.26 51.13,48.5 50.51,48.5 50.09,48.92 50.09,49.65 49.81,49.93 49.81,50.28 50.29,50.76 50.29,53.68 50.23,53.75 50.23,56.77 50.42,56.96 v1(50.42,57.4) ; v1(58.61,56.57) 58.61,56.45 59.12,55.94 59.12,55.23 58.39,54.51 58.39,53.47 58.72,52.98 58.72,52.12 58.49,51.89 58.49,50.49 58.44,50.44 58.44,50.19 v2(58.69,49.93)
  LYR4-SIG w0.127: v1(58.61,56.57) 58.24,56.57 58.17,56.64 51.56,56.64 50.8,57.4 v1(50.42,57.4)
  BOTTOM w0.127: R43.1 48.23,39.52 48.23,40.22 v1(48.2,40.26)
DVI_PUP: length 110
  TOP w0.127: U11.10 v1(20.21,70.48) 20.21,72.12 R90.2 ; v1(46.99,35.56) 46.99,36.32 47.32,36.65 U5.4
  LYR3-SIG w0.076: 3.68,66.8 3.68,65.66 P11.18
  LYR3-SIG w0.127: v1(16.57,50.67) 16.57,49.91 15.81,49.15 15.81,42.35 14.35,40.89 14.35,36.45 v1(12.32,34.42) ; 3.68,66.8 4.83,67.94 14.1,67.94 14.73,68.58 15.62,68.58 16.13,69.09 18.81,69.09 v1(20.21,70.48)
  LYR4-SIG w0.127: v1(12.32,34.42) 27.88,34.42 28.7,35.24 29.5,35.24 30.65,36.39 31.75,36.39 32.45,35.69 45.97,35.69 46.1,35.56 v1(46.99,35.56)
  BOTTOM w0.127: v1(16.57,50.67) 16.57,53.51 15.9,54.18 15.21,54.18 13.97,55.42 13.97,56.77 12.24,58.5 12.24,69.9 14.35,72.01 18.16,72.01 19.68,70.48 v1(20.21,70.48)
DVI_PVDD: length 4.9
  TOP w0.254: v1(13.84,66.55) 13.92,66.62 U11.18
  BOTTOM w0.381: v1(13.84,66.55) C152.1 14.35,67.82 15.54,69.01 L7.2
DVI_VREF: length 23.7
  TOP w0.127: v1(28.96,67.12) 28.31,67.77 23.95,67.77 23.7,68.02 U11.3 23.7,70.03 23.93,70.26 23.93,71.04 24.26,71.37 24.76,71.37 R84.2
  LYR4-SIG w0.127: v1(28.96,67.12) 30.54,67.12 30.73,66.93 30.73,60.07 v1(29.08,58.42)
  BOTTOM w0.127: v1(29.08,58.42) 29.72,57.79 30.35,57.79 R85.2
DVI_VSYNC: length 64.8
  TOP w0.127: U11.5 v1(22.7,70.48) ; v1(44.25,59.31) RP4.10
  LYR3-SIG w0.127: P11.17 6.86,67.56 14.35,67.56 15.02,68.24 15.91,68.24 16.38,68.71 20.93,68.71 v1(22.7,70.48)
  LYR4-SIG w0.127: v1(22.7,70.48) 21.84,70.48 21.72,70.36 21.72,67.94 21.84,67.82 37.08,67.82 37.21,67.69 37.21,66.42 37.34,66.29 37.59,66.29 37.72,66.42 37.72,67.69 37.85,67.82 38.1,67.82 38.23,67.69 38.23,65.41 38.35,65.28 38.61,65.28 38.73,65.41 38.73,66.67 38.86,66.8 39.12,66.8 39.24,66.67 39.24,65.41 39.37,65.28 39.62,65.28 39.75,65.41 39.75,66.67 39.88,66.8 40.13,66.8 40.26,66.67 40.26,65.41 40.39,65.28 41.78,65.28 42.74,64.33 42.74,60.22 43.65,59.31 v1(44.25,59.31)